# Altium PCB RK_NVR_DEMO1_RK3588_LP4XD200P232SD8_V21_20211228_final_lint.PcbDoc (part 12 of 29) (continued)
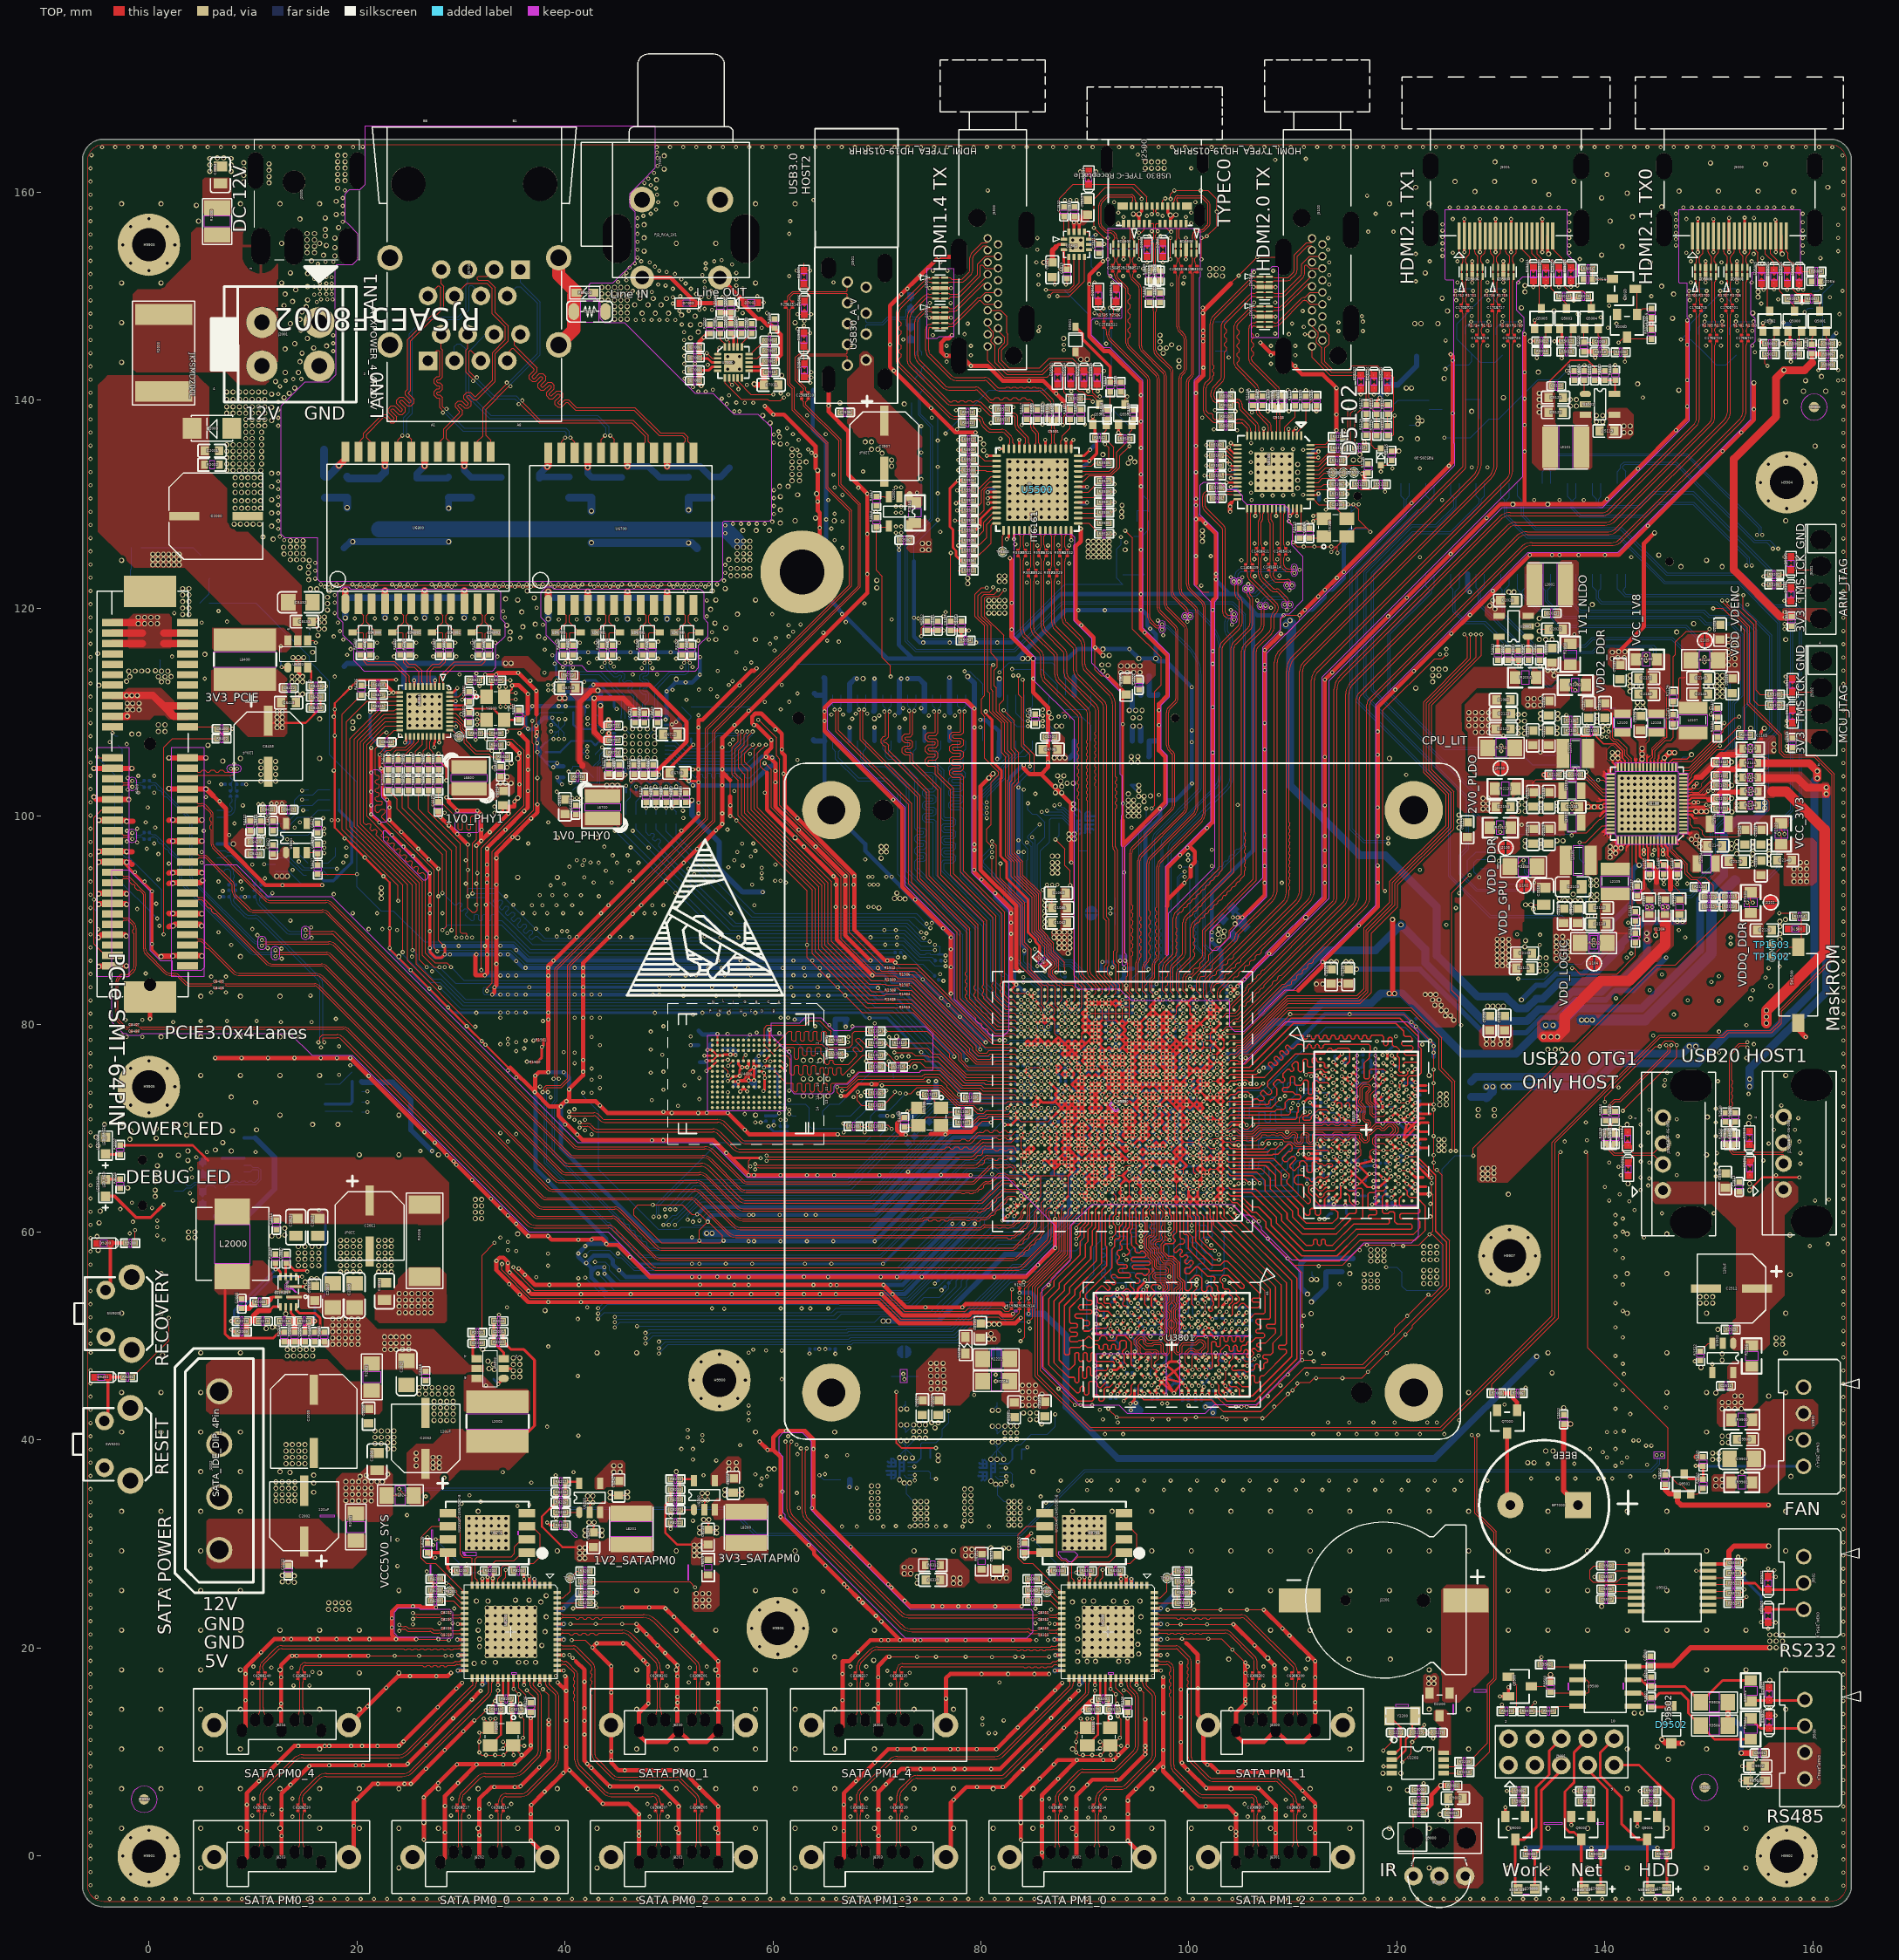
[diagram p0: TOP view]
## Nets (pads, with @x,y where several pads share a name; then routed paths per layer and width w, separated by ;. In a path a pad name is that pad's centre, name@x,y a point inside that pad or via, vN(x,y) a via of type N, cw(c..) or ccw(c..) an arc to the next point about the centre after c; other vN are vias at no path point) (continued)
  TOP w0.508: v5(-5.292,101.842) -5.05,101.599 J8400.B16@-3.495,101.599 v5(-1.939,101.599) ; v5(-5.292,104.599) J8400.B13@-3.495,104.599 v5(-1.634,104.599) ; v5(-4.86,88.329) -4.589,88.6 J8400.B29@-3.495,88.6 -2.306,88.6 v5(-2.18,88.474) ; v5(-4.835,85.535) -4.77,85.6 J8400.B32@-3.495,85.6 v5(-2.168,85.6) ; v5(-4.835,91.504) -4.739,91.6 J8400.B26@-3.495,91.6 -2.238,91.6 v5(-2.142,91.504) ; v5(-4.835,92.52) -4.755,92.6 J8400.B25@-3.495,92.6 -2.222,92.6 v5(-2.142,92.52) ; v5(-4.835,95.568) -4.803,95.6 J8400.B22@-3.495,95.6 -2.519,95.6 -2.174,95.6 v5(-2.142,95.568) -1.863,95.568 -1.634,95.339 ; v5(-4.835,96.584) -4.819,96.6 J8400.B21@-3.495,96.6 -2.158,96.6 v5(-2.142,96.584) -1.66,96.584 -1.634,96.558 ; v5(-4.814,99.599) J8400.B18@-3.495,99.599 -2.237,99.599 v5(-2.142,99.505) -1.533,99.505 ; v5(1.174,86.495) 1.23,86.551 v16(2.303,86.551) 2.352,86.6 J8400.A31@3.705,86.6 5.048,86.6 v16(5.097,86.551) ; 1.922,89.345 2.023,89.446 v16(2.328,89.446) 2.481,89.6 J8400.A28@3.705,89.6 4.918,89.6 v16(5.071,89.446) ; 1.922,90.666 1.947,90.64 v16(2.303,90.64) 2.343,90.6 J8400.A27@3.705,90.6 5.082,90.6 v16(5.097,90.615) ; 1.922,93.51 1.947,93.536 v16(2.303,93.536) 2.367,93.6 J8400.A24@3.705,93.6 4.957,93.6 v16(5.173,93.815) ; 1.922,94.526 1.947,94.552 v16(2.303,94.552) 2.351,94.6 J8400.A23@3.705,94.6 5.049,94.6 v16(5.097,94.552) ; 1.922,97.574 1.947,97.6 v16(2.303,97.6) J8400.A20@3.705,97.599 v16(5.097,97.6) ; 1.922,99.606 1.947,99.632 v16(2.303,99.632) 2.335,99.599 J8400.A18@3.705,99.599 5.065,99.599 v16(5.097,99.632) ; v16(1.922,102.654) 1.977,102.599 J8400.A15@3.705,102.599 v16(5.478,102.599) 5.504,102.626 5.506,102.626 6.207,101.925 ; v16(1.922,105.599) J8400.A12@3.705,105.599 v16(5.478,105.599) ; SW1500.2@158.589,80.114 158.589,79.49 v18(159.3,78.778)
  L2-GND1 w0.102: 96.416,90.456 96.619,90.659 104.544,90.659 104.899,90.304 104.899,90.253 105.255,89.897 105.306,89.897 106.323,88.88
  L2-GND1 w0.406: 75.334,63.278 75.842,62.77 75.842,59.062 78.433,56.471 78.534,56.471
  L4-S1 w0.102: v2(34.511,57.036) 34.511,56.528 34.511,56.349 34.84,56.02 35.081,56.02 v2(35.551,56.49) ; 43.07,58.763 43.375,58.458 43.375,57.112 42.765,56.503 42.765,55.817 43.07,55.512 43.476,55.512 43.781,55.817 v1(43.781,56.63) ; v1(53.741,143.396) 53.23,143.907 53.23,144.92 53.331,145.022 54.043,145.022 54.198,144.866 54.198,144.257 54.652,143.802 54.652,141.59 54.765,141.477 ; 55.871,108.344 55.871,107.607 ; 55.897,101.918 55.77,102.045 55.77,102.807 55.897,102.934 ; 55.897,106.49 55.77,106.617 55.77,106.82 v2(55.871,106.922) 55.77,107.023 55.77,107.506 55.871,107.607 ; 56.659,106.971 56.786,107.098 56.786,107.506 56.532,107.76 56.024,107.76 55.871,107.607 ; v2(58.818,35.649) 58.869,35.7 59.123,35.7 59.529,36.106 59.529,36.411 v2(59.427,36.513) 59.021,36.919 59.021,38.545 59.504,39.027 v2(59.478,39.053) ; v1(61.459,140.551) 61.358,140.653 v1(60.748,140.653) 60.647,140.551 60.647,140.144 61.561,139.23 61.663,139.23 ; v2(141.012,37.529) 141.114,37.427 141.927,37.427 142.13,37.63 v2(142.13,38.342) ; 152.087,108.039 153.204,106.922 153.204,99.12 152.675,98.59 ; 152.899,94.018 153.306,94.425 153.306,98.59 153.611,98.895 153.611,108.039 v9(154.017,108.446)
  L4-S1 w0.254: 55.155,103.772 55.135,103.793 v2(55.135,104.509) v2(55.135,106.617) 55.135,108.756 63.283,116.904 64.121,116.904 v2(64.85,117.632) v2(66.646,119.429) 68.216,120.999 v2(68.216,131.585) 68.216,132.677 61.663,139.23 ; v1(61.459,140.551) 62.882,139.129 ; 156.659,85.382 v23(156.811,85.535) v9(156.811,88.165) v9(156.811,88.673) v9(156.811,89.384) v9(156.811,89.892)
  L4-S1 w0.406: 34.511,56.528 34.353,56.37 33.778,56.37 33.418,56.731 v2(33.418,57.239) 33.418,57.442 33.792,57.817 v1(33.792,59.474) v2(33.792,62.319) v2(33.792,69.533) v2(33.792,78.067) v2(33.792,80.607) v2(33.792,81.115) v2(33.792,82.842) v2(33.792,84.671) v2(33.792,86.703) v2(33.792,87.535) 33.792,88.5 v2(38.632,93.34) v2(40.428,95.136) 40.428,95.847 40.835,96.254 41.444,96.254 v6@41.851,95.847 ; v2(34.511,57.036) v1(34.511,58.255) v1(34.511,59.068) v2(34.511,61.608) v2(34.511,68.72) v2(34.511,75.527) v2(34.511,78.067) v2(34.511,78.575) v2(34.511,81.115) v2(34.511,82.842) v2(34.511,84.671) v2(34.511,86.703) 34.511,88.101 v2(39.899,93.489) v2(41.695,95.285) 41.851,95.441 v2(41.851,95.746) v6@41.851,95.847 ; v2(35.551,56.49) 35.551,57.95 v1(35.323,58.179) v2(35.323,60.795) v2(35.323,69.431) v2(35.323,74.867) v2(35.323,77.407) ; v1(38.625,72.962) v1@38.599,72.936 ; v1(42.054,57.036) 42.46,57.442 42.46,58.154 v1(41.952,58.662) 41.343,59.271 v1(41.292,59.271) 41.292,59.322 38.371,62.243 38.371,72.708 v1@38.599,72.936 ; 43.07,58.763 v1(42.562,59.271) ; v1(43.781,56.63) 43.984,56.833 v1(43.984,58.865) 43.984,58.966 43.375,59.576 v1(43.375,72.174) v1(43.375,73.851) v1(43.375,74.918) v2(43.375,77.966) v2(43.375,80.607) v2(43.375,82.842) 43.375,85.357 v2(50.634,92.616) v2(52.43,94.412) v2(54.157,96.139) 57.599,99.581 57.599,102.883 56.659,103.823 56.659,106.971 ; v1(53.741,143.396) 53.796,143.341 53.796,141.44 56.31,138.926 v1(56.786,138.926) 58.615,138.926 v1(60.542,136.999) v1(62.338,135.203) v2(65.93,131.61) v2(65.93,129.07) v2(65.93,126.53) 65.93,121.947 63.173,119.19 62.334,119.19 v2(61.513,118.368) v2(60.284,117.139) v2(59.717,116.572) v2(57.921,114.776) v2(57.337,114.193) v2(56.125,112.98) v2(55.763,112.618) v2(54.645,111.5) v2(52.849,109.704) v2(52.849,108.522) 52.849,103.797 52.823,103.772 52.849,103.747 v2(52.849,103.264) v2(52.849,101.283) v2(51.388,99.822) v2(47.082,95.517) v2(45,95.517) v2(43.247,95.517) ; 54.765,141.477 v1(55.789,140.453) 56.503,139.738 v1(57.294,139.738) v1(58.107,139.738) 58.92,139.738 v1(61.925,136.733) v1(63.721,134.936) 66.692,131.966 v2(66.692,130.888) v2(66.692,128.348) v2(66.692,125.808) 66.692,121.631 63.489,118.428 v2(62.65,118.428) v2(61.95,117.728) v2(60.154,115.931) v2(58.435,114.213) v2(56.795,112.572) 53.611,109.388 53.611,101.029 v2(52.849,100.267) v2(51.198,98.616) 47.337,94.755 v2(46.228,94.755) v2(43.942,94.755) v2(38.312,89.124) 36.212,87.024 v2(36.212,85.408) v2(36.212,82.842) v2(36.212,81.115) v2(36.212,78.423) 36.623,78.012 36.623,77.437 36.272,77.086 35.644,77.086 v2(35.323,77.407) ; 55.155,103.772 55.135,103.751 v2(55.135,102.959) v2(55.135,100.267) 40.936,86.068 v2(40.936,85.408) v2(40.936,82.842) v2(40.936,80.607) v2(40.936,77.254) v2(40.936,76.238) 40.936,75.324 38.599,72.987 v1@38.599,72.936 ; 55.871,108.344 v2(57.667,110.14) 63.695,116.167 64.507,116.167 v2(65.211,116.871) v2(67.007,118.667) v2(68.804,120.463) 69.079,120.739 69.079,132.728 v2(68.669,133.138) v2(65.077,136.73) v1(63.281,138.527) 62.882,138.926 62.882,139.129 ; 55.897,101.918 v2(55.897,101.029) v2(55.897,100.013) v2(55.135,99.251) v2(54.518,98.634) v2(53.339,97.455) v2(52.722,96.838) 52.722,96.813 v2(51.426,95.517) v2(49.702,93.793) v2(44.314,88.405) 41.749,85.84 v2(41.749,85.408) v2(41.749,84.671) v2(41.749,83.554) v2(41.749,82.842) v2(41.749,80.607) v1(41.749,75.426) 41.749,75.07 v1(40.403,73.724) 39.615,72.936 v1(39.615,72.073) 39.615,62.218 v1(42.562,59.271) ; 55.897,102.934 55.897,103.569 ; 55.897,106.49 55.897,103.569 ; v2(58.818,35.649) 58.31,36.157 v2(58.31,36.716) 58.31,39.459 v2(58.716,39.866) 58.716,48.089 v23(58.103,48.701) v1(54.141,52.664) 52.214,54.591 v1(52.214,55.69) v1(52.214,56.96) v1(52.214,59.5) 52.214,60.592 52.315,60.694 v1(52.315,60.998) 52.417,61.1 52.417,61.405 v1(52.722,61.71) 53.331,61.71 53.738,61.303 v1(53.738,60.998) 52.925,60.186 v1(52.925,59.17) v1(52.925,56.96) v1(52.925,55.69) 52.925,55.029 52.988,54.966 v1(52.988,54.94) 53.014,54.94 v1(55.325,52.629) v23(59.338,48.616) ; v2(141.012,37.529) v2(141.012,40.78) v2(141.012,43.015) v23(141.012,48.095) v23(141.012,53.175) v23(141.012,55.715) v1(141.012,58.255) v1(141.012,60.795) v1(141.012,61.628) v1(142.343,62.959) v1(143.429,64.045) v1(143.429,65.255) v1(143.429,70.335) 143.429,74.002 145.687,76.26 149.04,76.26 150.236,77.456 150.236,79.367 150.258,79.388 150.236,79.409 v2(150.236,84.059) 150.236,92.535 152.675,94.974 v9(152.675,96.395) v9(152.675,97.03) v9(152.675,97.538) 152.675,98.59 ; v2(142.13,38.342) 142.13,39.053 141.723,39.459 v1(141.723,44.801) v23(141.723,47.341) v23(141.723,49.881) v23(141.723,52.421) v23(141.723,54.961) v1(141.723,57.501) v1(141.723,60.041) v1(141.724,61.303) 144.162,63.742 v1(144.162,64.481) v1(144.162,69.561) 144.162,73.698 144.568,74.105 v23(145.723,74.105) 148.263,74.105 J2502.5@148.282,74.085 150.969,76.772 v1(150.969,79.286) v2(150.969,82.233) v2(150.969,84.606) 150.969,92.088 152.899,94.018 ; v2(151.477,108.954) 151.579,109.055 152.595,109.055 ; 152.087,108.039 152.087,108.547 152.595,109.055 ; v9(154.017,108.446) 153.407,109.055 152.595,109.055 ; v2(35.323,77.407) v2(35.323,78.27) v2(35.323,81.115) v2(35.323,82.842) v2(35.323,84.671) v2(35.323,86.068) v2(35.323,87.11) 35.323,87.592 v2(41.851,94.12) v2(43.247,95.517) ; v6@41.851,95.847 41.851,95.949 42.138,96.236 42.782,96.236 43.171,95.847 43.171,95.593 v2(43.247,95.517) ; v1(42.562,59.271) v1(42.562,69.406) v1(42.562,73.394) v1(42.562,74.664) v1(42.562,75.73) v2(42.562,78.779) v2(42.562,80.607) v2(42.562,82.842) 42.562,85.631 v2(45.308,88.377) v2(51.886,94.956) 53.829,96.898 v2(53.829,96.914) v2(55.625,98.71) v2(56.501,99.586) 56.786,99.871 56.786,102.68 55.897,103.569
  L6-S2 w0.089: 89.139,61.043 v2(89.294,61.198) 89.944,61.848 89.944,61.924 90.366,62.345 v2(90.366,62.831) v2(90.366,63.481) 90.46,63.481 91.016,64.037 v2(91.016,64.131) ; 90.695,61.043 90.695,62.024 91.016,62.345 v2(91.016,62.831) ; v2(91.016,64.131) v2(91.666,64.781) v2(92.316,64.781) v2(92.966,65.431) ; 91.584,61.043 91.584,61.405 91.965,61.786 91.965,62.48 v2(92.316,62.831) ; v1(93.184,60.859) 93.431,60.859 93.616,61.043 v2(93.616,62.831) v2(93.616,63.48) v2(93.616,64.131) 93.616,64.707 92.966,65.357 v2(92.966,65.431) ; 94.915,61.043 v2(94.915,62.831) 94.505,63.242 94.505,64.37 v2(94.915,64.781) v2(94.915,65.43) 94.59,65.755 94.59,66.406 v2(94.915,66.731) ; v2(99.465,62.831) 99.537,62.831 99.82,62.548 99.82,62.313 101.089,61.043 ; v2(100.115,64.131) 100.115,64.049 100.474,63.691 100.474,62.738 101.934,61.278 102.151,61.278 102.5,60.928 ; 101.388,72.174 101.033,71.819 100.728,71.819 ; v2(101.416,62.831) 101.416,62.817 102.066,62.167 ; v2(102.066,62.831) 102.066,62.167 ; v2(102.066,65.431) 102.066,65.671 102.353,65.958 105.153,65.958 ; v2(103.366,63.481) 103.859,63.481 105.153,62.186 ; v2(103.366,64.781) 103.366,64.501 103.522,64.345 104.035,64.345 105.153,63.227 ; v2(103.366,66.731) 105.153,66.731 ; v2(103.366,71.931) 103.664,71.931 103.897,71.698 105.104,71.698 105.111,71.692 105.153,71.692 ; v2(103.366,73.231) 104.193,72.403 105.104,72.403 105.111,72.41 105.153,72.41 ; v2(103.366,75.181) 104.22,76.035 105.153,76.035 ; 103.883,61.043 102.887,62.04 102.193,62.04 102.066,62.167 ; 105.153,75.324 104.868,75.324 103.877,74.333 102.263,74.333 v2(102.066,74.531) ; 105.153,77.534 104.976,77.356 104.538,77.356 103.663,76.481 v2(103.366,76.481) v2(102.716,76.481) 101.744,75.509 101.744,75.318 101.741,75.315 101.741,75.046 102.066,74.722 v2(102.066,74.531) ; v2(92.966,65.431) v2(92.966,66.081) v2(93.615,66.731) v2(94.266,66.731) v2(94.915,66.731) ; v2(94.915,66.731) v2(96.215,66.731) 96.541,67.056 97.381,67.056 97.65,67.056 98.3,67.056 98.338,67.094 98.34,67.094 99.466,68.22 v2(99.466,69.331) 99.559,69.425 99.559,70.075 v2(100.115,70.631) 100.01,70.631 99.791,70.851 99.791,71.517 99.94,71.666 100.372,71.666 100.525,71.819 100.728,71.819 ; 100.728,71.819 101.416,72.507 v2(101.416,72.581) 101.592,72.581 102.066,73.055 v2(102.066,73.231) v2(102.066,73.88) v2(102.066,74.531)
  L6-S2 w0.102: v1(26.79,30.671) 26.611,30.492 26.611,24.905 v1(27.601,23.914) ; v2(27.017,88.938) 27.423,88.938 27.931,89.446 36.945,89.446 v2(37.214,89.178) ; v1(41.851,112.916) 41.952,113.018 44.899,113.018 ; 55.643,68.39 55.821,68.568 61.18,68.568 61.675,68.072 ; 55.795,108.242 56.277,107.76 58.234,107.76 58.818,108.344 58.818,108.75 ; v2(55.871,106.922) 56.379,106.922 56.684,107.226 58.292,107.226 60.342,109.276 60.342,109.868 v2(60.748,110.275) 60.85,110.275 v2(61.564,110.989) v2(62.374,111.799) ; 55.897,67.628 56.43,68.161 60.57,68.161 60.85,67.882 ; v2(55.897,100.013) 64.97,109.086 v2(64.97,109.157) ; v2(56.486,115.761) 82.694,115.761 84.015,114.44 ; 57.421,67.12 58.056,67.755 60.088,67.755 60.723,67.12 60.723,66.739 ; v2(58.31,36.716) 59.224,36.716 v2(59.427,36.513) 60.342,36.513 ; v2(58.716,39.866) 59.504,39.078 v2(59.478,39.053) 59.529,39.053 59.935,38.646 v2(62.374,38.646) 63.39,38.646 v2(63.898,39.154) ; v2(59.136,75.299) 58.908,75.527 57.903,75.527 57.573,75.857 v2(57.522,75.857) v2(57.04,75.857) 56.71,75.857 56.278,75.426 ; 63.999,110.173 64.101,110.274 64.101,111.984 66.455,114.338 78.63,114.338 78.935,114.034 78.935,113.627 v9(78.731,113.424) 78.427,113.424 77.919,113.932 66.641,113.932 64.97,112.261 v2(64.97,110.071) ; 64.076,115.05 64.38,115.354 82.389,115.354 83.405,114.338 83.405,113.932 83.1,113.627 v2(83.1,113.526) ; v2(76.598,85.586) 76.496,85.586 76.191,85.89 76.191,86.221 76.572,86.602 v2(76.598,86.602) ; v2(79.93,77.559) 79.201,78.288 79.201,79.471 75.074,83.599 75.074,85.001 74.794,85.281 74.794,87.111 75.267,87.584 75.548,87.584 v2(75.582,87.618) 75.742,87.618 75.979,87.38 75.979,87.014 75.455,86.489 75.455,85.611 75.683,85.382 75.683,84.103 80.535,79.252 80.535,78.312 v2(80.459,78.236) ; v2(84.015,113.119) 84.015,114.44 ; v9(84.015,115.151) 84.015,114.44 ; 87.774,53.118 87.774,54.801 88.155,55.182 88.155,60.059 89.139,61.043 ; 90.695,61.043 90.695,60.389 89.933,59.627 89.933,58.484 89.552,58.103 89.552,48.451 89.907,48.095 90.542,48.095 ; 91.584,61.043 91.584,60.262 90.695,59.373 90.695,58.357 90.314,57.976 90.314,50.965 90.441,50.838 ; 93.616,61.043 93.743,60.916 93.743,60.261 93.959,60.046 93.959,58.319 94.225,58.052 94.225,57.569 v18(93.997,57.341) 93.773,57.117 93.596,57.117 93.362,56.883 93.362,54.902 93.463,54.801 93.514,54.801 v2(93.59,54.725) 93.616,54.699 93.616,54.565 94.006,54.175 v35(94.006,54.098) 93.879,54.098 93.146,53.366 v35(93.146,53.081) 92.727,52.661 92.727,52.232 93.079,51.88 93.387,51.88 93.74,51.527 v35(93.74,51.501) 93.766,51.501 94.149,51.885 ; 94.915,61.043 94.89,61.018 94.89,53.535 94.556,53.201 v2(94.454,53.201) 94.454,53.099 94.149,52.794 94.149,51.885 ; v2(99.153,95.136) 100.144,95.136 v2(100.194,95.187) ; 101.089,61.043 101.68,60.452 102.113,60.452 104.284,58.282 104.284,53.912 103.642,53.27 v35(103.585,53.27) ; v35(102.221,50.731) 102.384,50.731 103.014,50.102 103.496,50.102 v35(104.128,50.733) 104.153,50.733 104.538,51.118 105.7,51.118 105.827,51.245 ; 102.5,60.928 105.231,58.197 ; 103.883,61.043 106.437,58.49 106.437,50.096 104.487,48.146 104.487,46.698 103.7,45.911 103.268,45.911 103.014,45.657 102.785,45.657 102.506,45.936 v2(102.303,45.936) 102.506,46.139 102.506,46.927 102.633,47.054 103.323,47.054 v35(103.546,46.831) 103.655,46.831 103.877,47.054 103.877,48.553 105.827,50.502 105.827,51.245 ; v35(104.196,44.431) 104.24,44.387 105.427,44.387 107.713,46.673 107.713,59.246 v2(107.586,59.373) 107.713,59.373 108.094,59.754 119.016,59.754 123.334,64.072 v2(123.334,64.707) ; 105.153,62.186 105.3,62.039 106.825,62.039 107.764,61.1 112.386,61.1 v2(112.539,61.252) v2(113.047,61.252) 117.974,61.252 118.508,61.786 118.508,62.294 118.889,62.675 118.889,64.199 119.016,64.326 119.876,64.326 120.231,63.97 v2(120.231,63.948) 120.915,64.632 v35(120.965,64.632) 120.54,65.057 120.54,65.469 120.286,65.723 119.812,65.723 v2(119.452,65.363) 119.351,65.363 119.33,65.342 118.846,65.342 v2(118.69,65.186) 118.254,64.749 118.254,63.056 117.873,62.675 v2(117.619,62.675) 116.958,62.014 112.818,62.014 112.539,62.294 107.459,62.294 107.034,62.719 105.661,62.719 105.153,63.227 ; 105.153,65.958 108.239,65.958 108.729,65.469 109.211,65.469 v2(109.237,65.443) 109.262,65.469 109.872,65.469 110.151,65.189 110.71,65.189 111.243,64.656 v2(111.345,64.656) 111.675,64.986 112.767,64.986 v35(113.047,64.707) ; 105.153,66.731 110.515,66.731 110.888,66.358 v18(110.888,65.977) 111.791,65.977 112.172,65.596 112.63,65.596 v2(112.965,65.931) ; 105.153,71.692 109.11,71.692 109.703,72.285 109.897,72.285 109.999,72.386 v2(109.999,72.412) 109.999,72.479 110.1,72.581 110.888,72.581 v2(111.015,72.454) 111.777,73.216 111.777,73.851 112.005,74.079 112.618,74.079 112.921,73.776 v2(112.972,73.776) 113.38,73.368 113.405,73.394 113.731,73.394 113.757,73.367 114.031,73.367 114.057,73.394 114.266,73.394 114.291,73.368 ; 105.153,72.41 108.913,72.41 109.237,72.733 v2(109.237,73.089) 109.923,73.775 110.71,73.775 v2(110.761,73.724) 110.761,74.283 111.243,74.765 111.548,74.765 v2(111.777,74.994) 112.056,74.714 112.514,74.714 112.831,75.031 v35(113.018,75.031) 113.055,74.994 v2(113.809,74.994) 113.809,74.983 114.291,74.5 114.291,73.368 ; 105.153,75.324 105.179,75.349 105.883,75.349 109.058,78.524 117.898,78.524 v2(118.076,78.347) 118.178,78.347 118.736,77.788 119.041,77.788 119.597,77.232 119.597,77.063 v2(119.516,76.981) ; 105.153,76.035 105.706,76.035 108.831,79.159 119.549,79.159 v2(119.905,78.804) 119.905,78.448 120.413,77.94 120.413,74.479 v2(120.316,74.382) ; 105.153,77.534 107.947,80.328 109.107,80.328 v2(109.743,80.964) 110.202,80.506 115.002,80.506 v2(115.46,80.964) 116.02,80.404 121.2,80.404 v2(121.403,80.201) v2(123.199,78.404) 123.533,78.071 v2(123.533,77.895) v2(123.533,77.254) v2(123.533,75.629) ; v35(105.547,52.281) 105.172,51.906 104.563,51.906 104.157,52.312 104.157,52.642 105.231,53.716 105.231,58.197 ; v2(114.572,73.088) 114.291,73.368 ; 119.067,75.527 119.194,75.654 v2(119.448,75.654) ; 123.74,91.174 v2(125.671,91.174) 128.211,91.174 129.328,90.056 132.325,90.056 133.24,89.142 133.629,89.142 133.734,89.037 ; v2(124.756,89.548) 124.756,89.65 124.858,89.751 127.906,89.751 129.023,88.634 v2(131.563,88.634) 131.852,88.634 132.114,88.371 132.114,88.227 132.216,88.126 132.274,88.126 v9(132.376,88.024) 132.376,87.999 132.311,87.934 v9(132.311,87.44) 132.311,84.939 133.621,83.63 134.205,83.63 ; v9(133.138,91.072) 133.799,91.072 134.931,89.94 136.853,89.94 138.028,88.765 138.028,87.084 138.751,86.36 141.084,86.36 142.671,84.773 v2(145.483,84.773) ; v2(133.759,88.597) 133.734,88.622 133.734,89.037 ; 138.574,84.773 136.847,86.5 136.847,88.329 136.379,88.797 133.974,88.797 133.734,89.037 ; v2(141.012,37.529) 141.114,37.427 141.927,37.427 142.13,37.63 v2(142.13,38.342) ; v2(145.279,77.864) 145.584,77.559 146.499,77.559 v2(146.905,77.966) ; 152.29,77.966 152.899,77.356 153.915,77.356 154.22,77.661 154.22,77.966 v1(154.322,78.067) ; 56.278,75.426 55.363,75.426 55.16,75.222 55.16,74.918 55.544,74.534 v2(55.668,74.534) v2(55.668,73.444) 55.668,73.394 56.379,72.682 v2(61.561,72.682) 65.219,72.682 65.32,72.784 66.946,72.784 67.454,73.292 67.454,73.597 67.047,74.003 60.545,74.003 60.113,73.571 v2(59.097,73.571) 59.021,73.495 57.548,73.495 v2(57.522,73.521) 57.472,73.47 56.908,73.47 v2(56.859,73.518) 56.278,74.1 56.278,75.426 ; 63.796,78.804 67.928,78.804 70.722,76.01 71.518,76.01 71.899,76.391 v2(71.899,76.772) ; 63.796,78.804 62.806,78.804 62.348,78.346 57.548,78.346 57.446,78.447 57.446,79.133 57.65,79.337 58.29,79.337 v2(58.442,79.185) 58.555,79.072 60.556,79.072 v2(60.621,79.137) 61.977,79.137 63.648,80.807 67.619,80.807 69.567,78.859 69.811,78.859 70.177,78.494 70.177,78.25 70.461,77.966 70.639,77.788 71.641,77.788 71.666,77.762 71.823,77.762 71.899,77.686 71.899,77.561 72.034,77.426 72.034,77.134 71.899,76.998 v2(71.899,76.772) ; 63.796,78.804 63.593,79.007 63.593,79.818 63.922,80.147 64.663,80.147 ; 64.663,80.147 65.171,80.147 v2(65.422,79.896) 65.673,80.147 67.304,80.147 v2(67.657,79.794) 68.063,79.388 68.063,79.286 68.042,79.265 ; 64.663,80.147 65.422,79.388 67.919,79.388 68.042,79.265 ; 68.042,79.265 70.535,76.772 70.984,76.772 70.991,76.778 71.283,76.778 71.289,76.772 v2(71.899,76.772) ; 90.441,50.838 90.263,50.661 90.263,49.619 90.365,49.518 90.517,49.518 90.974,49.975 91.076,49.975 ; 90.441,50.838 90.441,50.61 v35(90.822,50.229) 91.076,49.975 ; 90.542,48.095 90.805,48.358 90.949,48.358 91.05,48.256 91.05,47.731 91.855,46.927 ; 90.542,48.095 91.711,46.927 91.855,46.927 ; 91.076,49.975 91.965,49.975 92.473,49.467 ; 91.855,46.927 92.244,46.927 v2(92.498,46.673) 92.803,46.368 92.803,45.835 92.981,45.657 93.997,45.657 94.149,45.809 94.149,46.476 v2(93.784,46.841) 93.784,46.993 v35(93.162,47.616) 93.088,47.689 92.207,47.689 91.863,48.032 v35(91.863,48.298) 91.863,48.857 92.473,49.467 ; 92.473,49.467 93.156,49.467 94.367,50.677 94.367,50.712 v35(94.379,50.724) 94.417,50.724 94.519,50.826 94.519,50.83 95.038,51.349 v35(95.038,51.55) 94.703,51.885 94.149,51.885 ; 105.231,58.197 105.827,57.601 105.827,51.245
  L6-S2 w0.254: v1(25.391,22.289) 25.595,22.086 ; v11@95.565,62.832 v2(95.565,63.481) v2(95.565,64.132) 95.565,64.78 v2(95.565,65.43) 95.565,66.25 95.597,66.282
  L6-S2 w0.305: 87.774,53.118 87.774,47.181 90.708,44.247 90.708,43.816 90.695,43.803 v18(90.695,43.371)